# KiCad board kimotor-project.kicad_pcb (continued)
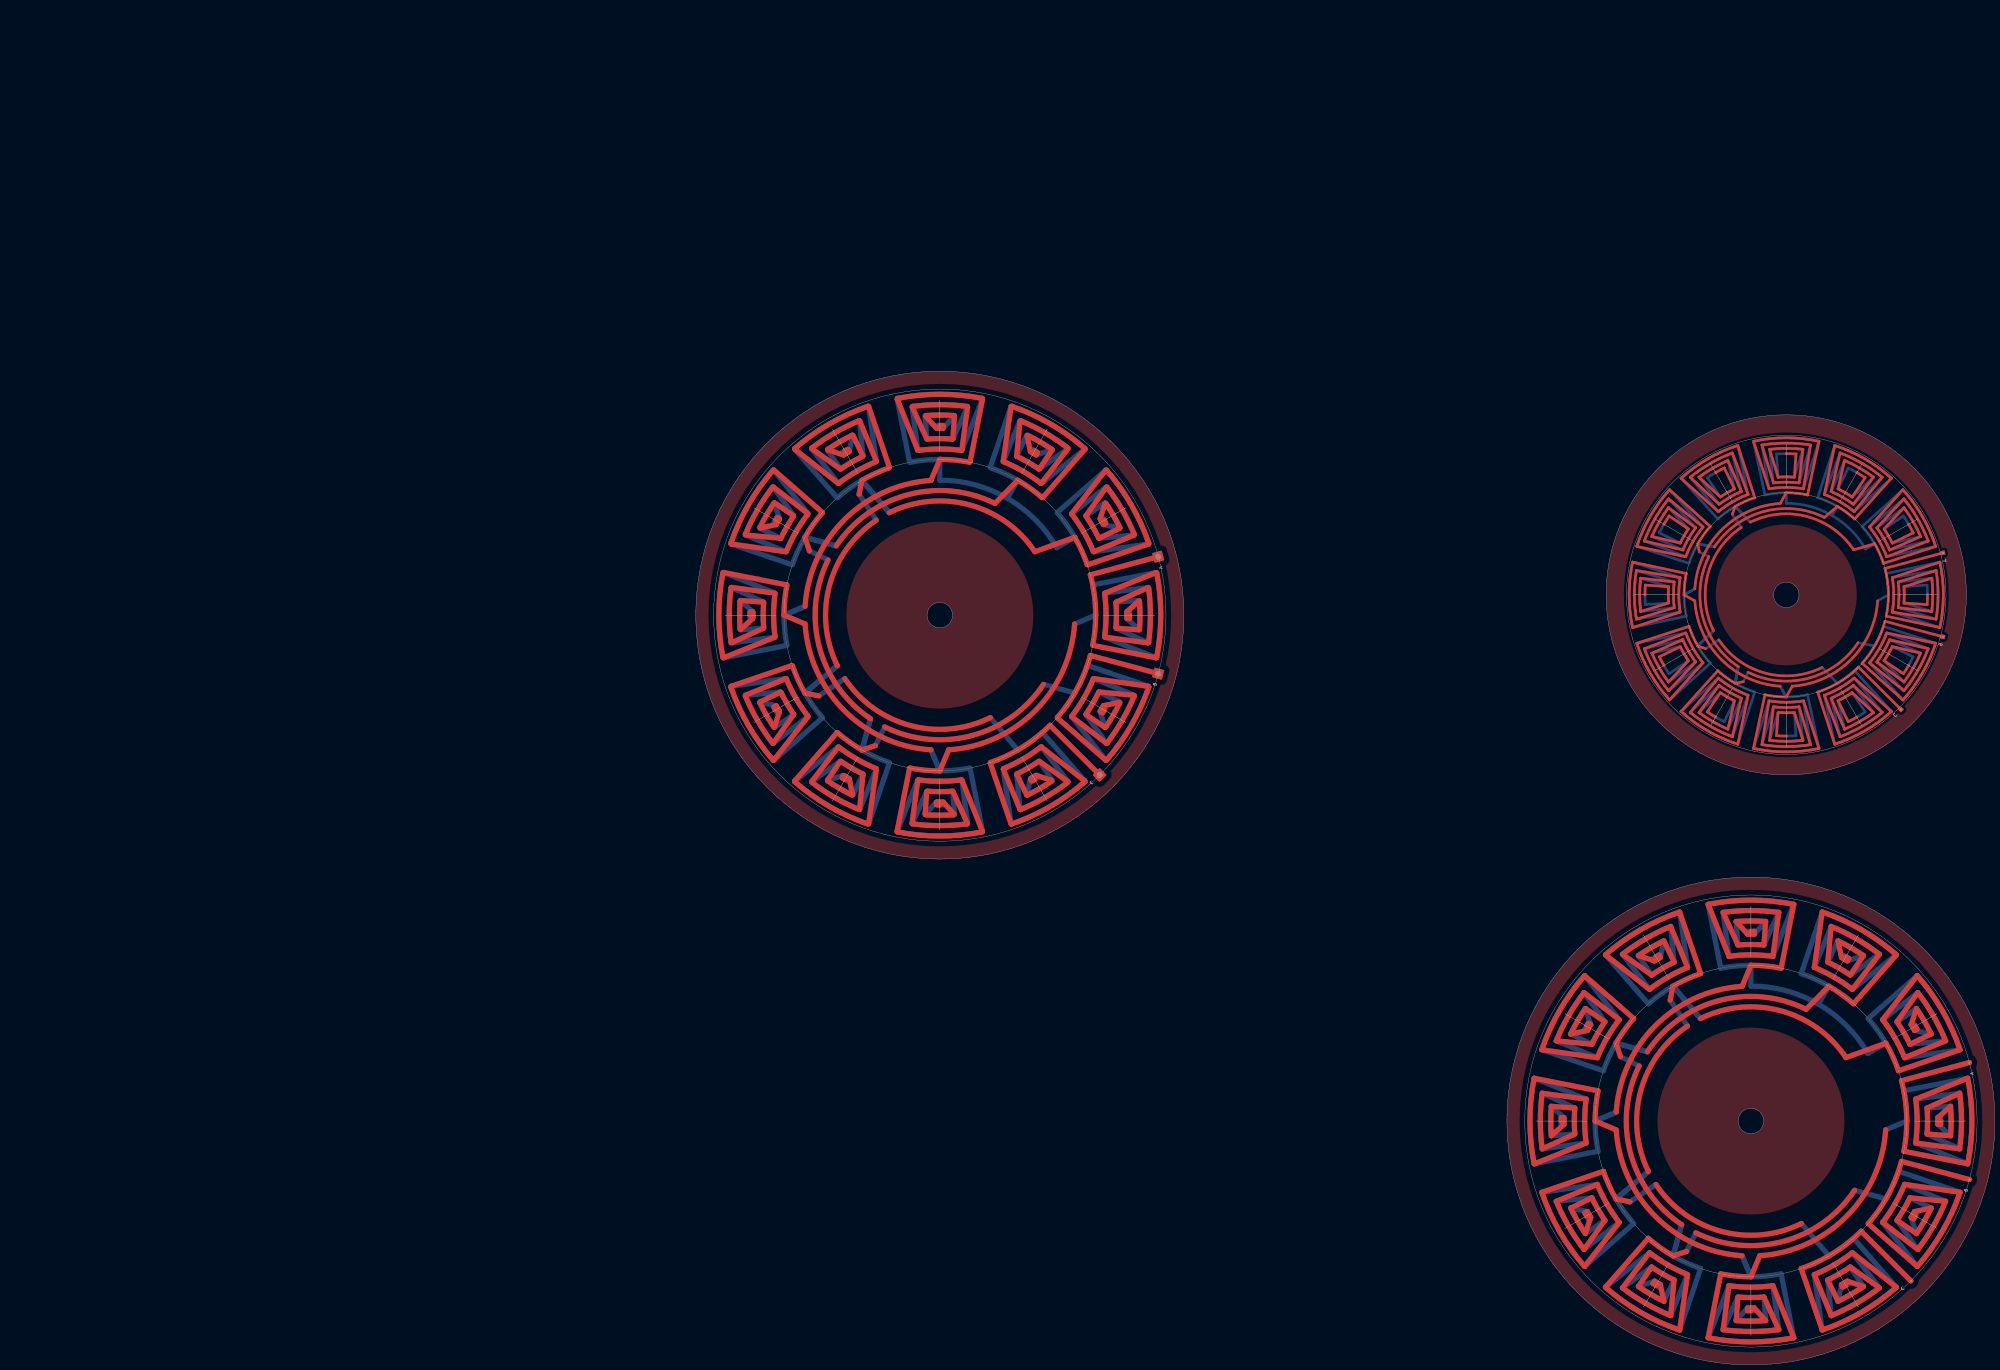
[diagram p0: board, top side]
## Routing (per net, layer and track width the routed paths; a pad name or vN(x,y) marks a point on that pad's centre or on a via; arc(x,y) is an arc through that point) (continued)
; -204.17,404.51 -208.16,396.34 ; -204.17,404.51 -208.16,396.34 ; -204.17,404.51 -208.16,396.34 ; -204.17,404.51 -208.16,396.34 ; -204.17,404.51 -208.16,396.34 ; -204.17,404.51 -207.94,396.78 ; -204.17,404.51 -207.94,396.78 ; -204.17,404.51 -207.94,396.78 ; -204.17,404.51 -208.16,396.34 ; -204.17,404.51 -208.16,396.34 ; -204.17,404.51 arc(-206.99,406.01) -209.71,407.7 ; -204.17,404.51 arc(-206.99,406.01) -209.71,407.7 ; -204.17,404.51 arc(-206.99,406.01) -209.71,407.7 ; -204.17,404.51 arc(-206.99,406.01) -209.71,407.7 ; -204.17,404.51 arc(-206.99,406.01) -209.71,407.7 ; -204.17,404.51 arc(-206.99,406.01) -209.71,407.7 ; -204.17,404.51 arc(-206.99,406.01) -209.71,407.7 ; -204.17,404.51 arc(-206.99,406.01) -209.71,407.7 ; -204.17,404.51 arc(-206.99,406.01) -209.71,407.7 ; -204.17,404.51 arc(-206.99,406.01) -209.71,407.7 ; -204.17,404.51 arc(-206.99,406.01) -209.71,407.7 ; -204.17,404.51 arc(-206.99,406.01) -209.71,407.7 ; -208.16,396.34 arc(-217.55,402.15) -211.54,398.13 ; -208.16,396.34 arc(-217.55,402.15) -211.54,398.13 ; -208.16,396.34 arc(-217.55,402.15) -211.54,398.13 ; -208.16,396.34 arc(-217.55,402.15) -211.54,398.13 ; -208.16,396.34 arc(-217.55,402.15) -211.54,398.13 ; -208.16,396.34 arc(-217.55,402.15) -211.54,398.13 ; -208.16,396.34 arc(-217.55,402.15) -211.54,398.13 ; -208.16,396.34 arc(-217.55,402.15) -211.54,398.13 ; -208.16,396.34 arc(-217.55,402.15) -211.54,398.13 ; -142.71,491.7 -157.29,478.61 ; -142.71,491.7 -157.29,478.61 ; -142.71,491.7 -157.29,478.61 ; -142.71,491.7 -157.29,478.61 ; -142.71,491.7 -157.29,478.61 ; -142.71,491.7 -157.29,478.61 ; -142.71,491.7 -157.29,478.61 ; -142.71,491.7 -157.29,478.61 ; -142.71,491.7 -157.29,478.61 ; -157.29,478.61 -143.04,491.33 ; -157.29,478.61 -143.04,491.33 ; -157.29,478.61 -143.04,491.33 ; -202.86,504.52 -198.82,485.35 ; -202.86,504.52 -198.82,485.35 ; -202.86,504.52 -198.82,485.35 ; -202.86,504.52 -198.82,485.35 ; -202.86,504.52 -198.82,485.35 ; -202.86,504.52 -198.82,485.35 ; -202.86,504.52 -198.82,485.35 ; -202.86,504.52 -198.82,485.35 ; -202.86,504.52 -198.82,485.35 ; -198.82,485.35 -202.7,504.05 ; -198.82,485.35 -202.7,504.05 ; -198.82,485.35 -202.7,504.05 ; -196.23,407.97 -202.7,388 ; -196.23,407.97 -202.86,387.52 ; -196.23,407.97 -202.86,387.52 ; -196.23,407.97 -202.7,388 ; -196.23,407.97 -202.86,387.52 ; -196.23,407.97 -202.86,387.52 ; -196.23,407.97 -202.7,388 ; -196.23,407.97 -202.86,387.52 ; -196.23,407.97 -202.86,387.52 ; -196.23,407.97 -202.86,387.52 ; -196.23,407.97 -202.86,387.52 ; -196.23,407.97 -202.86,387.52 ; -196.23,407.97 arc(-208.24,414.29) -203.89,411.38 ; -196.23,407.97 arc(-208.24,414.29) -203.89,411.38 ; -196.23,407.97 arc(-208.24,414.29) -203.89,411.38 ; -196.23,407.97 arc(-208.24,414.29) -203.89,411.38 ; -196.23,407.97 arc(-208.24,414.29) -203.89,411.38 ; -196.23,407.97 arc(-208.24,414.29) -203.89,411.38 ; -196.23,407.97 arc(-208.24,414.29) -203.89,411.38 ; -196.23,407.97 arc(-208.24,414.29) -203.89,411.38 ; -196.23,407.97 arc(-208.24,414.29) -203.89,411.38 ; -196.23,407.97 arc(-208.24,414.29) -203.89,411.38 ; -196.23,407.97 arc(-208.24,414.29) -203.89,411.38 ; -196.23,407.97 arc(-208.24,414.29) -203.89,411.38 ; -225.41,466.3 -233.58,470.29 ; -225.41,466.3 -233.58,470.29 ; -225.41,466.3 -233.58,470.29 ; -225.41,466.3 -233.58,470.29 ; -225.41,466.3 -233.58,470.29 ; -225.41,466.3 -233.13,470.07 ; -225.41,466.3 -233.13,470.07 ; -225.41,466.3 -233.13,470.07 ; -225.41,466.3 -233.58,470.29 ; -225.41,466.3 -233.58,470.29 ; -225.41,466.3 -233.58,470.29 ; -225.41,466.3 -233.58,470.29 ; -233.58,470.29 arc(-227.76,479.68) -231.78,473.67 ; -233.58,470.29 arc(-227.76,479.68) -231.78,473.67 ; -233.58,470.29 arc(-227.76,479.68) -231.78,473.67 ; -233.58,470.29 arc(-227.76,479.68) -231.78,473.67 ; -233.58,470.29 arc(-227.76,479.68) -231.78,473.67 ; -233.58,470.29 arc(-227.76,479.68) -231.78,473.67 ; -233.58,470.29 arc(-227.76,479.68) -231.78,473.67 ; -233.58,470.29 arc(-227.76,479.68) -231.78,473.67 ; -233.58,470.29 arc(-227.76,479.68) -231.78,473.67 ; -238.56,442.23 arc(-238.22,453.17) -238.69,446.02 ; -238.56,442.23 arc(-238.22,453.17) -238.69,446.02 ; -238.56,442.23 arc(-238.22,453.17) -238.69,446.02 ; -146.31,399.98 arc(-154.17,394.55) -162.8,390.46 ; -146.31,399.98 arc(-154.17,394.55) -162.8,390.46 ; -146.31,399.98 arc(-154.17,394.55) -162.8,390.46 ; -146.31,399.98 arc(-154.17,394.55) -162.8,390.46 ; -146.31,399.98 arc(-154.17,394.55) -162.8,390.46 ; -146.31,399.98 arc(-154.17,394.55) -162.8,390.46 ; -146.31,399.98 arc(-154.17,394.55) -162.8,390.46 ; -146.31,399.98 arc(-154.17,394.55) -162.8,390.46 ; -146.31,399.98 arc(-154.17,394.55) -162.8,390.46 ; -125.72,436.58 arc(-124.96,446.02) -125.72,455.46 ; -125.72,436.58 arc(-124.96,446.02) -125.72,455.46 ; -125.72,436.58 arc(-124.96,446.02) -125.72,455.46 ; -149.74,492.11 -158.08,484.34 ; -149.74,492.11 -158.08,484.34 ; -149.74,492.11 -158.08,484.34 ; -149.74,492.11 -158.08,484.34 ; -149.74,492.11 -158.08,484.34 ; -149.74,492.11 -158.08,484.34 ; -149.74,492.11 -158.08,484.34 ; -149.74,492.11 -158.08,484.34 ; -149.74,492.11 -158.08,484.34 ; -158.08,484.34 -150.04,491.71 ; -158.08,484.34 -150.04,491.71 ; -158.08,484.34 -150.04,491.71 ; -137.8,449.22 -129.23,449.81 ; -137.8,449.22 -129.23,449.81 ; -137.8,449.22 -128.73,449.85 ; -137.8,449.22 -128.73,449.85 ; -137.8,449.22 -128.73,449.85 ; -137.8,449.22 -128.73,449.85 ; -137.8,449.22 -128.73,449.85 ; -137.8,449.22 -128.73,449.85 ; -137.8,449.22 -128.73,449.85 ; -137.8,449.22 -128.73,449.85 ; -137.8,449.22 -128.73,449.85 ; -137.8,449.22 -129.23,449.81 ; -129.23,449.81 arc(-129.56,438.87) -129.09,446.02 ; -129.23,449.81 arc(-129.56,438.87) -129.09,446.02 ; -129.23,449.81 arc(-129.56,438.87) -129.09,446.02 ; -153.27,400.58 arc(-162.92,395.4) -156.49,398.57 ; -153.27,400.58 arc(-162.92,395.4) -156.49,398.57 ; -153.27,400.58 arc(-162.92,395.4) -156.49,398.57 ; -138.58,486.87 arc(-131.06,476.52) -125.86,464.83 ; -138.58,486.87 arc(-131.06,476.52) -125.86,464.83 ; -138.58,486.87 arc(-131.06,476.52) -125.86,464.83 ; -159.62,495.71 arc(-150.23,489.89) -156.24,493.91 ; -159.62,495.71 arc(-150.23,489.89) -156.24,493.91 ; -159.62,495.71 arc(-150.23,489.89) -156.24,493.91 ; -159.62,495.71 arc(-150.23,489.89) -156.24,493.91 ; -159.62,495.71 arc(-150.23,489.89) -156.24,493.91 ; -159.62,495.71 arc(-150.23,489.89) -156.24,493.91 ; -159.62,495.71 arc(-150.23,489.89) -156.24,493.91 ; -159.62,495.71 arc(-150.23,489.89) -156.24,493.91 ; -159.62,495.71 arc(-150.23,489.89) -156.24,493.91 ; -219.35,419.75 -229.98,411.87 ; -219.35,419.75 -229.98,411.87 ; -219.35,419.75 -229.98,411.87 ; -219.35,419.75 -229.98,411.87 ; -219.35,419.75 -229.98,411.87 ; -219.35,419.75 -229.98,411.87 ; -219.35,419.75 -229.98,411.87 ; -219.35,419.75 -229.98,411.87 ; -219.35,419.75 -229.58,412.17 ; -219.35,419.75 -229.58,412.17 ; -219.35,419.75 -229.58,412.17 ; -219.35,419.75 -229.98,411.87 ; -131.73,423.38 arc(-134.64,417.59) -138.2,412.17 ; -131.73,423.38 arc(-134.64,417.59) -138.2,412.17 ; -131.73,423.38 arc(-134.64,417.59) -138.2,412.17 ; -142.37,425.74 -134.2,421.75 ; -142.37,425.74 -134.2,421.75 ; -142.37,425.74 -134.65,421.97 ; -142.37,425.74 -134.2,421.75 ; -142.37,425.74 -134.2,421.75 ; -142.37,425.74 -134.2,421.75 ; -142.37,425.74 -134.2,421.75 ; -142.37,425.74 -134.65,421.97 ; -142.37,425.74 -134.2,421.75 ; -142.37,425.74 -134.65,421.97 ; -142.37,425.74 -134.2,421.75 ; -142.37,425.74 -134.2,421.75 ; -134.2,421.75 arc(-140.02,412.36) -136,418.37 ; -134.2,421.75 arc(-140.02,412.36) -136,418.37 ; -134.2,421.75 arc(-140.02,412.36) -136,418.37 ; -134.2,421.75 arc(-140.02,412.36) -136,418.37 ; -134.2,421.75 arc(-140.02,412.36) -136,418.37 ; -134.2,421.75 arc(-140.02,412.36) -136,418.37 ; -134.2,421.75 arc(-140.02,412.36) -136,418.37 ; -134.2,421.75 arc(-140.02,412.36) -136,418.37 ; -134.2,421.75 arc(-140.02,412.36) -136,418.37 ; -217.74,400.33 -209.71,407.7 ; -217.74,400.33 -209.71,407.7 ; -217.74,400.33 -209.71,407.7 ; -217.74,400.33 arc(-212.32,396.78) -206.53,393.86 ; -217.74,400.33 arc(-212.32,396.78) -206.53,393.86 ; -217.74,400.33 arc(-212.32,396.78) -206.53,393.86 ; -209.71,407.7 -218.04,399.93 ; -209.71,407.7 -218.04,399.93 ; -209.71,407.7 -218.04,399.93 ; -209.71,407.7 -218.04,399.93 ; -209.71,407.7 -218.04,399.93 ; -209.71,407.7 -218.04,399.93 ; -209.71,407.7 -218.04,399.93 ; -209.71,407.7 -218.04,399.93 ; -209.71,407.7 -218.04,399.93 ; -202.7,504.05 arc(-214.39,498.85) -224.74,491.33 ; -202.7,504.05 arc(-214.39,498.85) -224.74,491.33 ; -202.7,504.05 arc(-214.39,498.85) -224.74,491.33 ; -229.55,408.76 arc(-234.93,416.56) -238.99,425.11 ; -229.55,408.76 arc(-234.93,416.56) -238.99,425.11 ; -229.55,408.76 arc(-234.93,416.56) -238.99,425.11 ; -150.04,491.71 arc(-155.46,495.27) -161.25,498.18 ; -150.04,491.71 arc(-155.46,495.27) -161.25,498.18 ; -150.04,491.71 arc(-155.46,495.27) -161.25,498.18 ; -177.42,502.52 arc(-183.89,502.89) -190.36,502.52 ; -177.42,502.52 arc(-183.89,502.89) -190.36,502.52 ; -177.42,502.52 arc(-183.89,502.89) -190.36,502.52 ; -165.08,504.05 arc(-153.39,498.85) -143.04,491.33 ; -165.08,504.05 arc(-153.39,498.85) -143.04,491.33 ; -165.08,504.05 arc(-153.39,498.85) -143.04,491.33 ; -128.73,449.85 arc(-129.07,438.8) -128.59,446.02 ; -128.73,449.85 arc(-129.07,438.8) -128.59,446.02 ; -128.73,449.85 arc(-129.07,438.8) -128.59,446.02 ; -128.73,449.85 arc(-129.07,438.8) -128.59,446.02 ; -128.73,449.85 arc(-129.07,438.8) -128.59,446.02 ; -128.73,449.85 arc(-129.07,438.8) -128.59,446.02 ; -128.73,449.85 arc(-129.07,438.8) -128.59,446.02 ; -128.73,449.85 arc(-129.07,438.8) -128.59,446.02 ; -128.73,449.85 arc(-129.07,438.8) -128.59,446.02 ; -244.04,458.85 -225.42,452.76 ; -244.04,458.85 -225.42,452.76 ; -244.04,458.85 -225.42,452.76 ; -244.04,458.85 -225.42,452.76 ; -244.04,458.85 -225.42,452.76 ; -244.04,458.85 -225.42,452.76 ; -244.04,458.85 -225.42,452.76 ; -244.04,458.85 -225.42,452.76 ; -244.04,458.85 -225.42,452.76 ; -225.42,452.76 -243.55,458.74 ; -225.42,452.76 -243.55,458.74 ; -225.42,452.76 -243.55,458.74 ; -243.55,458.74 arc(-244.89,446.02) -243.55,433.3 ; -243.55,458.74 arc(-244.89,446.02) -243.55,433.3 ; -243.55,458.74 arc(-244.89,446.02) -243.55,433.3 ; -229.34,415.41 arc(-234.52,425.05) -231.35,418.62 ; -229.34,415.41 arc(-234.52,425.05) -231.35,418.62 ; -229.34,415.41 arc(-234.52,425.05) -231.35,418.62 ; -134.65,421.97 arc(-140.42,412.66) -136.44,418.62 ; -134.65,421.97 arc(-140.42,412.66) -136.44,418.62 ; -134.65,421.97 arc(-140.42,412.66) -136.44,418.62 ; -207.94,396.78 arc(-217.25,402.55) -211.29,398.57 ; -207.94,396.78 arc(-217.25,402.55) -211.29,398.57 ; -207.94,396.78 arc(-217.25,402.55) -211.29,398.57 ; -233.13,470.07 arc(-227.36,479.38) -231.35,473.42 ; -233.13,470.07 arc(-227.36,479.38) -231.35,473.42 ; -233.13,470.07 arc(-227.36,479.38) -231.35,473.42 ; -214.51,491.47 arc(-204.86,496.65) -211.29,493.48 ; -214.51,491.47 arc(-204.86,496.65) -211.29,493.48 ; -214.51,491.47 arc(-204.86,496.65) -211.29,493.48
  In6.Cu w1.034: -216.48,472.62 -229.93,483.6 ; -216.48,472.62 -229.93,483.6 ; -216.48,472.62 -229.93,483.6 ; -216.48,472.62 -229.93,483.6 ; -216.48,472.62 -229.55,483.28 ; -216.48,472.62 -229.55,483.28 ; -216.48,472.62 -229.93,483.6 ; -216.48,472.62 -229.93,483.6 ; -216.48,472.62 -229.93,483.6 ; -216.48,472.62 -229.93,483.6 ; -216.48,472.62 -229.93,483.6 ; -216.48,472.62 -229.55,483.28 ; -216.48,472.62 arc(-220.32,467.06) -223.22,460.95 ; -216.48,472.62 arc(-220.32,467.06) -223.22,460.95 ; -216.48,472.62 arc(-220.32,467.06) -223.22,460.95 ; -216.48,472.62 arc(-220.32,467.06) -223.22,460.95 ; -216.48,472.62 arc(-220.32,467.06) -223.22,460.95 ; -216.48,472.62 arc(-220.32,467.06) -223.22,460.95 ; -216.48,472.62 arc(-220.32,467.06) -223.22,460.95 ; -216.48,472.62 arc(-220.32,467.06) -223.22,460.95 ; -216.48,472.62 arc(-220.32,467.06) -223.22,460.95 ; -216.48,472.62 arc(-220.32,467.06) -223.22,460.95 ; -216.48,472.62 arc(-220.32,467.06) -223.22,460.95 ; -216.48,472.62 arc(-220.32,467.06) -223.22,460.95 ; -229.93,483.6 arc(-235.36,475.74) -239.46,467.11 ; -229.93,483.6 arc(-235.36,475.74) -239.46,467.11 ; -229.93,483.6 arc(-235.36,475.74) -239.46,467.11 ; -229.93,483.6 arc(-235.36,475.74) -239.46,467.11 ; -229.93,483.6 arc(-235.36,475.74) -239.46,467.11 ; -229.93,483.6 arc(-235.36,475.74) -239.46,467.11 ; -229.93,483.6 arc(-235.36,475.74) -239.46,467.11 ; -229.93,483.6 arc(-235.36,475.74) -239.46,467.11 ; -229.93,483.6 arc(-235.36,475.74) -239.46,467.11 ; -178.87,489.87 -177.36,503.01 ; -178.87,489.87 -177.36,503.01 ; -178.87,489.87 -177.36,503.01 ; -178.87,489.87 -177.42,502.52 ; -178.87,489.87 -177.42,502.52 ; -178.87,489.87 -177.36,503.01 ; -178.87,489.87 -177.36,503.01 ; -178.87,489.87 -177.36,503.01 ; -178.87,489.87 -177.42,502.52 ; -178.87,489.87 -177.36,503.01 ; -178.87,489.87 -177.36,503.01 ; -178.87,489.87 -177.36,503.01 ; -178.87,489.87 arc(-183.89,490.16) -188.91,489.87 ; -178.87,489.87 arc(-183.89,490.16) -188.91,489.87 ; -178.87,489.87 arc(-183.89,490.16) -188.91,489.87 ; -178.87,489.87 arc(-183.89,490.16) -188.91,489.87 ; -178.87,489.87 arc(-183.89,490.16) -188.91,489.87 ; -178.87,489.87 arc(-183.89,490.16) -188.91,489.87 ; -178.87,489.87 arc(-183.89,490.16) -188.91,489.87 ; -178.87,489.87 arc(-183.89,490.16) -188.91,489.87 ; -178.87,489.87 arc(-183.89,490.16) -188.91,489.87 ; -178.87,489.87 arc(-183.89,490.16) -188.91,489.87 ; -178.87,489.87 arc(-183.89,490.16) -188.91,489.87 ; -178.87,489.87 arc(-183.89,490.16) -188.91,489.87 ; -177.36,503.01 arc(-183.89,503.39) -190.42,503.01 ; -177.36,503.01 arc(-183.89,503.39) -190.42,503.01 ; -177.36,503.01 arc(-183.89,503.39) -190.42,503.01 ; -177.36,503.01 arc(-183.89,503.39) -190.42,503.01 ; -177.36,503.01 arc(-183.89,503.39) -190.42,503.01 ; -177.36,503.01 arc(-183.89,503.39) -190.42,503.01 ; -177.36,503.01 arc(-183.89,503.39) -190.42,503.01 ; -177.36,503.01 arc(-183.89,503.39) -190.42,503.01 ; -177.36,503.01 arc(-183.89,503.39) -190.42,503.01 ; -242.55,436.5 -227.74,441 ; -242.55,436.5 -227.74,441 ; -242.55,436.5 -227.74,441 ; -242.55,436.5 -227.74,441 ; -242.55,436.5 -227.74,441 ; -242.55,436.5 -227.74,441 ; -242.55,436.5 -227.74,441 ; -242.55,436.5 -227.74,441 ; -242.55,436.5 -227.74,441 ; -242.55,436.5 arc(-243.32,446.02) -242.55,455.54 ; -242.55,436.5 arc(-243.32,446.02) -242.55,455.54 ; -242.55,436.5 arc(-243.32,446.02) -242.55,455.54 ; -242.55,436.5 arc(-243.32,446.02) -242.55,455.54 ; -242.55,436.5 arc(-243.32,446.02) -242.55,455.54 ; -242.55,436.5 arc(-243.32,446.02) -242.55,455.54 ; -242.55,436.5 arc(-243.32,446.02) -242.55,455.54 ; -242.55,436.5 arc(-243.32,446.02) -242.55,455.54 ; -242.55,436.5 arc(-243.32,446.02) -242.55,455.54 ; -227.74,441 -242.06,436.58 ; -227.74,441 -242.06,436.58 ; -227.74,441 -242.06,436.58 ; -227.74,441 arc(-228.03,446.02) -227.74,451.04 ; -227.74,441 arc(-228.03,446.02) -227.74,451.04 ; -227.74,441 arc(-228.03,446.02) -227.74,451.04 ; -227.74,441 arc(-228.03,446.02) -227.74,451.04 ; -227.74,441 arc(-228.03,446.02) -227.74,451.04 ; -227.74,441 arc(-228.03,446.02) -227.74,451.04 ; -227.74,441 arc(-228.03,446.02) -227.74,451.04 ; -227.74,441 arc(-228.03,446.02) -227.74,451.04 ; -227.74,441 arc(-228.03,446.02) -227.74,451.04 ; -227.74,441 arc(-228.03,446.02) -227.74,451.04 ; -227.74,441 arc(-228.03,446.02) -227.74,451.04 ; -227.74,441 arc(-228.03,446.02) -227.74,451.04 ; -239.46,467.11 -224.38,463.6 ; -239.46,467.11 -224.38,463.6 ; -239.46,467.11 -224.38,463.6 ; -239.46,467.11 -224.38,463.6 ; -239.46,467.11 -224.38,463.6 ; -239.46,467.11 -224.38,463.6 ; -239.46,467.11 -224.38,463.6 ; -239.46,467.11 -224.38,463.6 ; -239.46,467.11 -224.38,463.6 ; -224.38,463.6 -238.99,466.93 ; -224.38,463.6 -238.99,466.93 ; -224.38,463.6 -238.99,466.93 ; -224.38,463.6 arc(-222.11,468.09) -219.35,472.3 ; -224.38,463.6 arc(-222.11,468.09) -219.35,472.3 ; -224.38,463.6 arc(-222.11,468.09) -219.35,472.3 ; -224.38,463.6 arc(-222.11,468.09) -219.35,472.3 ; -224.38,463.6 arc(-222.11,468.09) -219.35,472.3 ; -224.38,463.6 arc(-222.11,468.09) -219.35,472.3 ; -224.38,463.6 arc(-222.11,468.09) -219.35,472.3 ; -224.38,463.6 arc(-222.11,468.09) -219.35,472.3 ; -224.38,463.6 arc(-222.11,468.09) -219.35,472.3 ; -224.38,463.6 arc(-222.11,468.09) -219.35,472.3 ; -224.38,463.6 arc(-222.11,468.09) -219.35,472.3 ; -224.38,463.6 arc(-222.11,468.09) -219.35,472.3 ; -242.39,464.99 -223.22,460.95 ; -242.39,464.99 -223.22,460.95 ; -242.39,464.99 -223.22,460.95 ; -242.39,464.99 -223.22,460.95 ; -242.39,464.99 -223.22,460.95 ; -242.39,464.99 -223.22,460.95 ; -242.39,464.99 -223.22,460.95 ; -242.39,464.99 -223.22,460.95 ; -242.39,464.99 -223.22,460.95 ; -242.39,464.99 arc(-237.15,476.77) -229.57,487.2 ; -242.39,464.99 arc(-237.15,476.77) -229.57,487.2 ; -242.39,464.99 arc(-237.15,476.77) -229.57,487.2 ; -242.39,464.99 arc(-237.15,476.77) -229.57,487.2 ; -242.39,464.99 arc(-237.15,476.77) -229.57,487.2 ; -242.39,464.99 arc(-237.15,476.77) -229.57,487.2 ; -242.39,464.99 arc(-237.15,476.77) -229.57,487.2 ; -242.39,464.99 arc(-237.15,476.77) -229.57,487.2 ; -242.39,464.99 arc(-237.15,476.77) -229.57,487.2 ; -223.22,460.95 -241.92,464.83 ; -223.22,460.95 -241.92,464.83 ; -223.22,460.95 -241.92,464.83 ; -151.3,419.42 -137.85,408.44 ; -151.3,419.42 -137.85,408.44 ; -151.3,419.42 -137.85,408.44 ; -151.3,419.42 -138.23,408.76 ; -151.3,419.42 -137.85,408.44 ; -151.3,419.42 -138.23,408.76 ; -151.3,419.42 -137.85,408.44 ; -151.3,419.42 -138.23,408.76 ; -151.3,419.42 -137.85,408.44 ; -151.3,419.42 -137.85,408.44 ; -151.3,419.42 -137.85,408.44 ; -151.3,419.42 -137.85,408.44 ; -151.3,419.42 arc(-147.46,424.99) -144.56,431.1 ; -151.3,419.42 arc(-147.46,424.99) -144.56,431.1 ; -151.3,419.42 arc(-147.46,424.99) -144.56,431.1 ; -151.3,419.42 arc(-147.46,424.99) -144.56,431.1 ; -151.3,419.42 arc(-147.46,424.99) -144.56,431.1 ; -151.3,419.42 arc(-147.46,424.99) -144.56,431.1 ; -151.3,419.42 arc(-147.46,424.99) -144.56,431.1 ; -151.3,419.42 arc(-147.46,424.99) -144.56,431.1 ; -151.3,419.42 arc(-147.46,424.99) -144.56,431.1 ; -151.3,419.42 arc(-147.46,424.99) -144.56,431.1 ; -151.3,419.42 arc(-147.46,424.99) -144.56,431.1 ; -151.3,419.42 arc(-147.46,424.99) -144.56,431.1 ; -137.85,408.44 arc(-132.42,416.31) -128.33,424.94 ; -137.85,408.44 arc(-132.42,416.31) -128.33,424.94 ; -137.85,408.44 arc(-132.42,416.31) -128.33,424.94 ; -137.85,408.44 arc(-132.42,416.31) -128.33,424.94 ; -137.85,408.44 arc(-132.42,416.31) -128.33,424.94 ; -137.85,408.44 arc(-132.42,416.31) -128.33,424.94 ; -137.85,408.44 arc(-132.42,416.31) -128.33,424.94 ; -137.85,408.44 arc(-132.42,416.31) -128.33,424.94 ; -137.85,408.44 arc(-132.42,416.31) -128.33,424.94 ; -137.85,483.6 -148.43,472.3 ; -137.85,483.6 -148.43,472.3 ; -137.85,483.6 -148.43,472.3 ; -137.85,483.6 -148.43,472.3 ; -137.85,483.6 -148.43,472.3 ; -137.85,483.6 -148.43,472.3 ; -137.85,483.6 -148.43,472.3 ; -137.85,483.6 -148.43,472.3 ; -137.85,483.6 -148.43,472.3 ; -137.85,483.6 arc(-132.42,475.74) -128.33,467.11 ; -137.85,483.6 arc(-132.42,475.74) -128.33,467.11 ; -137.85,483.6 arc(-132.42,475.74) -128.33,467.11 ; -137.85,483.6 arc(-132.42,475.74) -128.33,467.11 ; -137.85,483.6 arc(-132.42,475.74) -128.33,467.11 ; -137.85,483.6 arc(-132.42,475.74) -128.33,467.11 ; -137.85,483.6 arc(-132.42,475.74) -128.33,467.11 ; -137.85,483.6 arc(-132.42,475.74) -128.33,467.11 ; -137.85,483.6 arc(-132.42,475.74) -128.33,467.11 ; -148.43,472.3 -138.23,483.28 ; -148.43,472.3 -138.23,483.28 ; -148.43,472.3 -138.23,483.28 ; -148.43,472.3 arc(-145.67,468.09) -143.41,463.6 ; -148.43,472.3 arc(-145.67,468.09) -143.41,463.6 ; -148.43,472.3 arc(-145.67,468.09) -143.41,463.6 ; -148.43,472.3 arc(-145.67,468.09) -143.41,463.6 ; -148.43,472.3 arc(-145.67,468.09) -143.41,463.6 ; -148.43,472.3 arc(-145.67,468.09) -143.41,463.6 ; -148.43,472.3 arc(-145.67,468.09) -143.41,463.6 ; -148.43,472.3 arc(-145.67,468.09) -143.41,463.6 ; -148.43,472.3 arc(-145.67,468.09) -143.41,463.6 ; -148.43,472.3 arc(-145.67,468.09) -143.41,463.6 ; -148.43,472.3 arc(-145.67,468.09) -143.41,463.6 ; -148.43,472.3 arc(-145.67,468.09) -143.41,463.6 ; -177.15,487.55 -174.37,504.69 ; -177.15,487.55 -174.45,504.19 ; -177.15,487.55 -174.37,504.69 ; -177.15,487.55 -174.37,504.69 ; -177.15,487.55 -174.37,504.69 ; -177.15,487.55 -174.37,504.69 ; -177.15,487.55 -174.37,504.69 ; -177.15,487.55 -174.37,504.69 ; -177.15,487.55 -174.45,504.19 ; -177.15,487.55 -174.45,504.19 ; -177.15,487.55 -174.37,504.69 ; -177.15,487.55 -174.37,504.69 ; -177.15,487.55 arc(-183.89,488.09) -190.63,487.55 ; -177.15,487.55 arc(-183.89,488.09) -190.63,487.55 ; -177.15,487.55 arc(-183.89,488.09) -190.63,487.55 ; -177.15,487.55 arc(-183.89,488.09) -190.63,487.55 ; -177.15,487.55 arc(-183.89,488.09) -190.63,487.55 ; -177.15,487.55 arc(-183.89,488.09) -190.63,487.55 ; -177.15,487.55 arc(-183.89,488.09) -190.63,487.55 ; -177.15,487.55 arc(-183.89,488.09) -190.63,487.55 ; -177.15,487.55 arc(-183.89,488.09) -190.63,487.55 ; -177.15,487.55 arc(-183.89,488.09) -190.63,487.55 ; -177.15,487.55 arc(-183.89,488.09) -190.63,487.55 ; -177.15,487.55 arc(-183.89,488.09) -190.63,487.55 ; -174.37,504.69 arc(-183.89,505.45) -193.41,504.69 ; -174.37,504.69 arc(-183.89,505.45) -193.41,504.69 ; -174.37,504.69 arc(-183.89,505.45) -193.41,504.69 ; -174.37,504.69 arc(-183.89,505.45) -193.41,504.69 ; -174.37,504.69 arc(-183.89,505.45) -193.41,504.69 ; -174.37,504.69 arc(-183.89,505.45) -193.41,504.69 ; -174.37,504.69 arc(-183.89,505.45) -193.41,504.69 ; -174.37,504.69 arc(-183.89,505.45) -193.41,504.69 ; -174.37,504.69 arc(-183.89,505.45) -193.41,504.69 ; -187.09,399.93 -187.68,391.36 ; -187.09,399.93 -187.68,391.36 ; -187.09,399.93 -187.72,390.86 ; -187.09,399.93 -187.72,390.86 ; -187.09,399.93 -187.72,390.86 ; -187.09,399.93 -187.72,390.86 ; -187.09,399.93 -187.72,390.86 ; -187.09,399.93 -187.72,390.86 ; -187.09,399.93 -187.68,391.36 ; -187.09,399.93 -187.72,390.86 ; -187.09,399.93 -187.72,390.86 ; -187.09,399.93 -187.72,390.86 ; -187.09,399.93 arc(-183.89,399.82) -180.69,399.93 ; -187.09,399.93 arc(-183.89,399.82) -180.69,399.93 ; -187.09,399.93 arc(-183.89,399.82) -180.69,399.93 ; -187.09,399.93 arc(-183.89,399.82) -180.69,399.93 ; -187.09,399.93 arc(-183.89,399.82) -180.69,399.93 ; -187.09,399.93 arc(-183.89,399.82) -180.69,399.93 ; -187.09,399.93 arc(-183.89,399.82) -180.69,399.93 ; -187.09,399.93 arc(-183.89,399.82) -180.69,399.93 ; -187.09,399.93 arc(-183.89,399.82) -180.69,399.93 ; -187.09,399.93 arc(-183.89,399.82) -180.69,399.93 ; -187.09,399.93 arc(-183.89,399.82) -180.69,399.93 ; -187.09,399.93 arc(-183.89,399.82) -180.69,399.93 ; -187.68,391.36 arc(-191.04,391.69) -183.89,391.23 ; -187.68,391.36 arc(-191.04,391.69) -183.89,391.23 ; -187.68,391.36 arc(-191.04,391.69) -183.89,391.23 ; -171.17,386.36 -177.15,404.5 ; -171.17,386.36 -177.15,404.5 ; -171.17,386.36 -177.15,404.5 ; -171.17,386.36 arc(-183.89,385.02) -196.61,386.36 ; -171.17,386.36 arc(-183.89,385.02) -196.61,386.36 ; -171.17,386.36 arc(-183.89,385.02) -196.61,386.36 ; -177.15,404.5 -171.07,385.87 ; -177.15,404.5 -171.07,385.87 ; -177.15,404.5 -171.07,385.87 ; -177.15,404.5 -171.07,385.87 ; -177.15,404.5 -171.07,385.87 ; -177.15,404.5 -171.07,385.87 ; -177.15,404.5 -171.07,385.87 ; -177.15,404.5 -171.07,385.87 ; -177.15,404.5 -171.07,385.87 ; -177.15,404.5 arc(-183.89,403.95) -190.63,404.5 ; -177.15,404.5 arc(-183.89,403.95) -190.63,404.5 ; -177.15,404.5 arc(-183.89,403.95) -190.63,404.5 ; -177.15,404.5 arc(-183.89,403.95) -190.63,404.5 ; -177.15,404.5 arc(-183.89,403.95) -190.63,404.5 ; -177.15,404.5 arc(-183.89,403.95) -190.63,404.5 ; -177.15,404.5 arc(-183.89,403.95) -190.63,404.5 ; -177.15,404.5 arc(-183.89,403.95) -190.63,404.5 ; -177.15,404.5 arc(-183.89,403.95) -190.63,404.5 ; -177.15,404.5 arc(-183.89,403.95) -190.63,404.5 ; -177.15,404.5 arc(-183.89,403.95) -190.63,404.5 ; -177.15,404.5 arc(-183.89,403.95) -190.63,404.5 ; -144.77,437.68 -124.23,433.3 ; -144.77,437.68 -123.74,433.2 ; -144.77,437.68 -123.74,433.2 ; -144.77,437.68 -123.74,433.2 ; -144.77,437.68 -123.74,433.2 ; -144.77,437.68 -124.23,433.3 ; -144.77,437.68 -123.74,433.2 ; -144.77,437.68 -123.74,433.2 ; -144.77,437.68 -123.74,433.2 ; -144.77,437.68 -124.23,433.3 ; -144.77,437.68 -123.74,433.2 ; -144.77,437.68 -123.74,433.2 ; -144.77,437.68 arc(-144.23,440.8) -143.89,446.02 ; -144.77,437.68 arc(-144.23,440.8) -143.89,446.02 ; -144.77,437.68 arc(-144.23,440.8) -143.89,446.02 ; -144.77,437.68 arc(-144.23,440.8) -143.89,446.02 ; -144.77,437.68 arc(-144.23,440.8) -143.89,446.02 ; -144.77,437.68 arc(-144.23,440.8) -143.89,446.02 ; -144.77,437.68 arc(-144.23,440.8) -143.89,446.02 ; -144.77,437.68 arc(-144.23,440.8) -143.89,446.02 ; -144.77,437.68 arc(-144.23,440.8) -143.89,446.02 ; -144.77,437.68 arc(-144.23,440.8) -143.89,446.02 ; -144.77,437.68 arc(-144.23,440.8) -143.89,446.02 ; -144.77,437.68 arc(-144.23,440.8) -143.89,446.02 ; -124.23,433.3 arc(-122.89,446.02) -124.23,458.74 ; -124.23,433.3 arc(-122.89,446.02) -124.23,458.74 ; -124.23,433.3 arc(-122.89,446.02) -124.23,458.74 ; -149.74,399.93 -158.08,407.7 ; -149.74,399.93 -158.08,407.7 ; -149.74,399.93 -158.08,407.7 ; -149.74,399.93 -158.08,407.7 ; -149.74,399.93 -158.08,407.7 ; -149.74,399.93 -158.08,407.7 ; -149.74,399.93 -158.08,407.7 ; -149.74,399.93 -158.08,407.7 ; -149.74,399.93 -158.08,407.7 ; -149.74,399.93 arc(-155.21,396.34) -161.05,393.4 ; -149.74,399.93 arc(-155.21,396.34) -161.05,393.4 ; -149.74,399.93 arc(-155.21,396.34) -161.05,393.4 ; -149.74,399.93 arc(-155.21,396.34) -161.05,393.4 ; -149.74,399.93 arc(-155.21,396.34) -161.05,393.4 ; -149.74,399.93 arc(-155.21,396.34) -161.05,393.4 ; -149.74,399.93 arc(-155.21,396.34) -161.05,393.4 ; -149.74,399.93 arc(-155.21,396.34) -161.05,393.4 ; -149.74,399.93 arc(-155.21,396.34) -161.05,393.4 ; -158.08,407.7 -150.04,400.33 ; -158.08,407.7 -150.04,400.33 ; -158.08,407.7 -150.04,400.33 ; -158.08,407.7 arc(-160.79,406.01) -163.61,404.51 ; -158.08,407.7 arc(-160.79,406.01) -163.61,404.51 ; -158.08,407.7 arc(-160.79,406.01) -163.61,404.51 ; -158.08,407.7 arc(-160.79,406.01) -163.61,404.51 ; -158.08,407.7 arc(-160.79,406.01) -163.61,404.51 ; -158.08,407.7 arc(-160.79,406.01) -163.61,404.51 ; -158.08,407.7 arc(-160.79,406.01) -163.61,404.51 ; -158.08,407.7 arc(-160.79,406.01) -163.61,404.51 ; -158.08,407.7 arc(-160.79,406.01) -163.61,404.51 ; -158.08,407.7 arc(-160.79,406.01) -163.61,404.51 ; -158.08,407.7 arc(-160.79,406.01) -163.61,404.51 ; -158.08,407.7 arc(-160.79,406.01) -163.61,404.51 ; -204.17,487.54 -208.16,495.71 ; -204.17,487.54 -208.16,495.71 ; -204.17,487.54 -208.16,495.71 ; -204.17,487.54 -208.16,495.71 ; -204.17,487.54 -208.16,495.71 ; -204.17,487.54 -208.16,495.71 ; -204.17,487.54 -208.16,495.71 ; -204.17,487.54 -207.94,495.26 ; -204.17,487.54 -207.94,495.26 ; -204.17,487.54 -208.16,495.71 ; -204.17,487.54 -207.94,495.26 ; -204.17,487.54 -208.16,495.71 ; -204.17,487.54 arc(-206.99,486.04) -209.71,484.34 ; -204.17,487.54 arc(-206.99,486.04) -209.71,484.34 ; -204.17,487.54 arc(-206.99,486.04) -209.71,484.34 ; -204.17,487.54 arc(-206.99,486.04) -209.71,484.34 ; -204.17,487.54 arc(-206.99,486.04) -209.71,484.34 ; -204.17,487.54 arc(-206.99,486.04) -209.71,484.34 ; -204.17,487.54 arc(-206.99,486.04) -209.71,484.34 ; -204.17,487.54 arc(-206.99,486.04) -209.71,484.34 ; -204.17,487.54 arc(-206.99,486.04) -209.71,484.34 ; -204.17,487.54 arc(-206.99,486.04) -209.71,484.34 ; -204.17,487.54 arc(-206.99,486.04) -209.71,484.34 ; -204.17,487.54 arc(-206.99,486.04) -209.71,484.34 ; -208.16,495.71 arc(-205.05,497.11) -211.54,493.91 ; -208.16,495.71 arc(-205.05,497.11) -211.54,493.91 ; -208.16,495.71 arc(-205.05,497.11) -211.54,493.91 ; -208.16,495.71 arc(-205.05,497.11) -211.54,493.91 ; -208.16,495.71 arc(-205.05,497.11) -211.54,493.91 ; -208.16,495.71 arc(-205.05,497.11) -211.54,493.91 ; -208.16,495.71 arc(-205.05,497.11) -211.54,493.91 ; -208.16,495.71 arc(-205.05,497.11) -211.54,493.91 ; -208.16,495.71 arc(-205.05,497.11) -211.54,493.91 ; -188.91,402.17 -190.42,389.03 ; -188.91,402.17 -190.42,389.03 ; -188.91,402.17 -190.42,389.03 ; -188.91,402.17 -190.42,389.03 ; -188.91,402.17 -190.42,389.03 ; -188.91,402.17 -190.36,389.53 ; -188.91,402.17 -190.42,389.03 ; -188.91,402.17 -190.36,389.53 ; -188.91,402.17 -190.42,389.03 ; -188.91,402.17 -190.42,389.03 ; -188.91,402.17 -190.36,389.53 ; -188.91,402.17 -190.42,389.03 ; -188.91,402.17 arc(-183.89,401.89) -178.87,402.17 ; -188.91,402.17 arc(-183.89,401.89) -178.87,402.17 ; -188.91,402.17 arc(-183.89,401.89) -178.87,402.17 ; -188.91,402.17 arc(-183.89,401.89) -178.87,402.17 ; -188.91,402.17 arc(-183.89,401.89) -178.87,402.17 ; -188.91,402.17 arc(-183.89,401.89) -178.87,402.17 ; -188.91,402.17 arc(-183.89,401.89) -178.87,402.17 ; -188.91,402.17 arc(-183.89,401.89) -178.87,402.17 ; -188.91,402.17 arc(-183.89,401.89) -178.87,402.17 ; -188.91,402.17 arc(-183.89,401.89) -178.87,402.17 ; -188.91,402.17 arc(-183.89,401.89) -178.87,402.17 ; -188.91,402.17 arc(-183.89,401.89) -178.87,402.17 ; -190.42,389.03 arc(-183.89,388.66) -177.36,389.03 ; -190.42,389.03 arc(-183.89,388.66) -177.36,389.03 ; -190.42,389.03 arc(-183.89,388.66) -177.36,389.03 ; -190.42,389.03 arc(-183.89,388.66) -177.36,389.03 ; -190.42,389.03 arc(-183.89,388.66) -177.36,389.03 ; -190.42,389.03 arc(-183.89,388.66) -177.36,389.03 ; -190.42,389.03 arc(-183.89,388.66) -177.36,389.03 ; -190.42,389.03 arc(-183.89,388.66) -177.36,389.03 ; -190.42,389.03 arc(-183.89,388.66) -177.36,389.03 ; -201.47,486.51 -206.73,498.64 ; -201.47,486.51 -206.53,498.18 ; -201.47,486.51 -206.73,498.64 ; -201.47,486.51 -206.73,498.64 ; -201.47,486.51 -206.73,498.64 ; -201.47,486.51 -206.53,498.18 ; -201.47,486.51 -206.73,498.64 ; -201.47,486.51 -206.73,498.64 ; -201.47,486.51 -206.73,498.64 ; -201.47,486.51 -206.73,498.64 ; -201.47,486.51 -206.53,498.18 ; -201.47,486.51 -206.73,498.64 ; -201.47,486.51 arc(-205.96,484.24) -210.16,481.49 ; -201.47,486.51 arc(-205.96,484.24) -210.16,481.49 ; -201.47,486.51 arc(-205.96,484.24) -210.16,481.49 ; -201.47,486.51 arc(-205.96,484.24) -210.16,481.49 ; -201.47,486.51 arc(-205.96,484.24) -210.16,481.49 ; -201.47,486.51 arc(-205.96,484.24) -210.16,481.49 ; -201.47,486.51 arc(-205.96,484.24) -210.16,481.49 ; -201.47,486.51 arc(-205.96,484.24) -210.16,481.49 ; -201.47,486.51 arc(-205.96,484.24) -210.16,481.49 ; -201.47,486.51 arc(-205.96,484.24) -210.16,481.49 ; -201.47,486.51 arc(-205.96,484.24) -210.16,481.49 ; -201.47,486.51 arc(-205.96,484.24) -210.16,481.49 ; -206.73,498.64 arc(-212.57,495.7) -218.04,492.11 ; -206.73,498.64 arc(-212.57,495.7) -218.04,492.11 ; -206.73,498.64 arc(-212.57,495.7) -218.04,492.11 ; -206.73,498.64 arc(-212.57,495.7) -218.04,492.11 ; -206.73,498.64 arc(-212.57,495.7) -218.04,492.11 ; -206.73,498.64 arc(-212.57,495.7) -218.04,492.11 ; -206.73,498.64 arc(-212.57,495.7) -218.04,492.11 ; -206.73,498.64 arc(-212.57,495.7) -218.04,492.11 ; -206.73,498.64 arc(-212.57,495.7) -218.04,492.11 ; -192.23,406.9 -196.61,386.36 ; -192.23,406.9 -196.72,385.87 ; -192.23,406.9 -196.72,385.87 ; -192.23,406.9 -196.72,385.87 ; -192.23,406.9 -196.72,385.87 ; -192.23,406.9 -196.61,386.36 ; -192.23,406.9 -196.72,385.87 ; -192.23,406.9 